# Altium PCB SVPX_FMC_6U_SOM.PcbDoc (part 1 of 9) (continued)
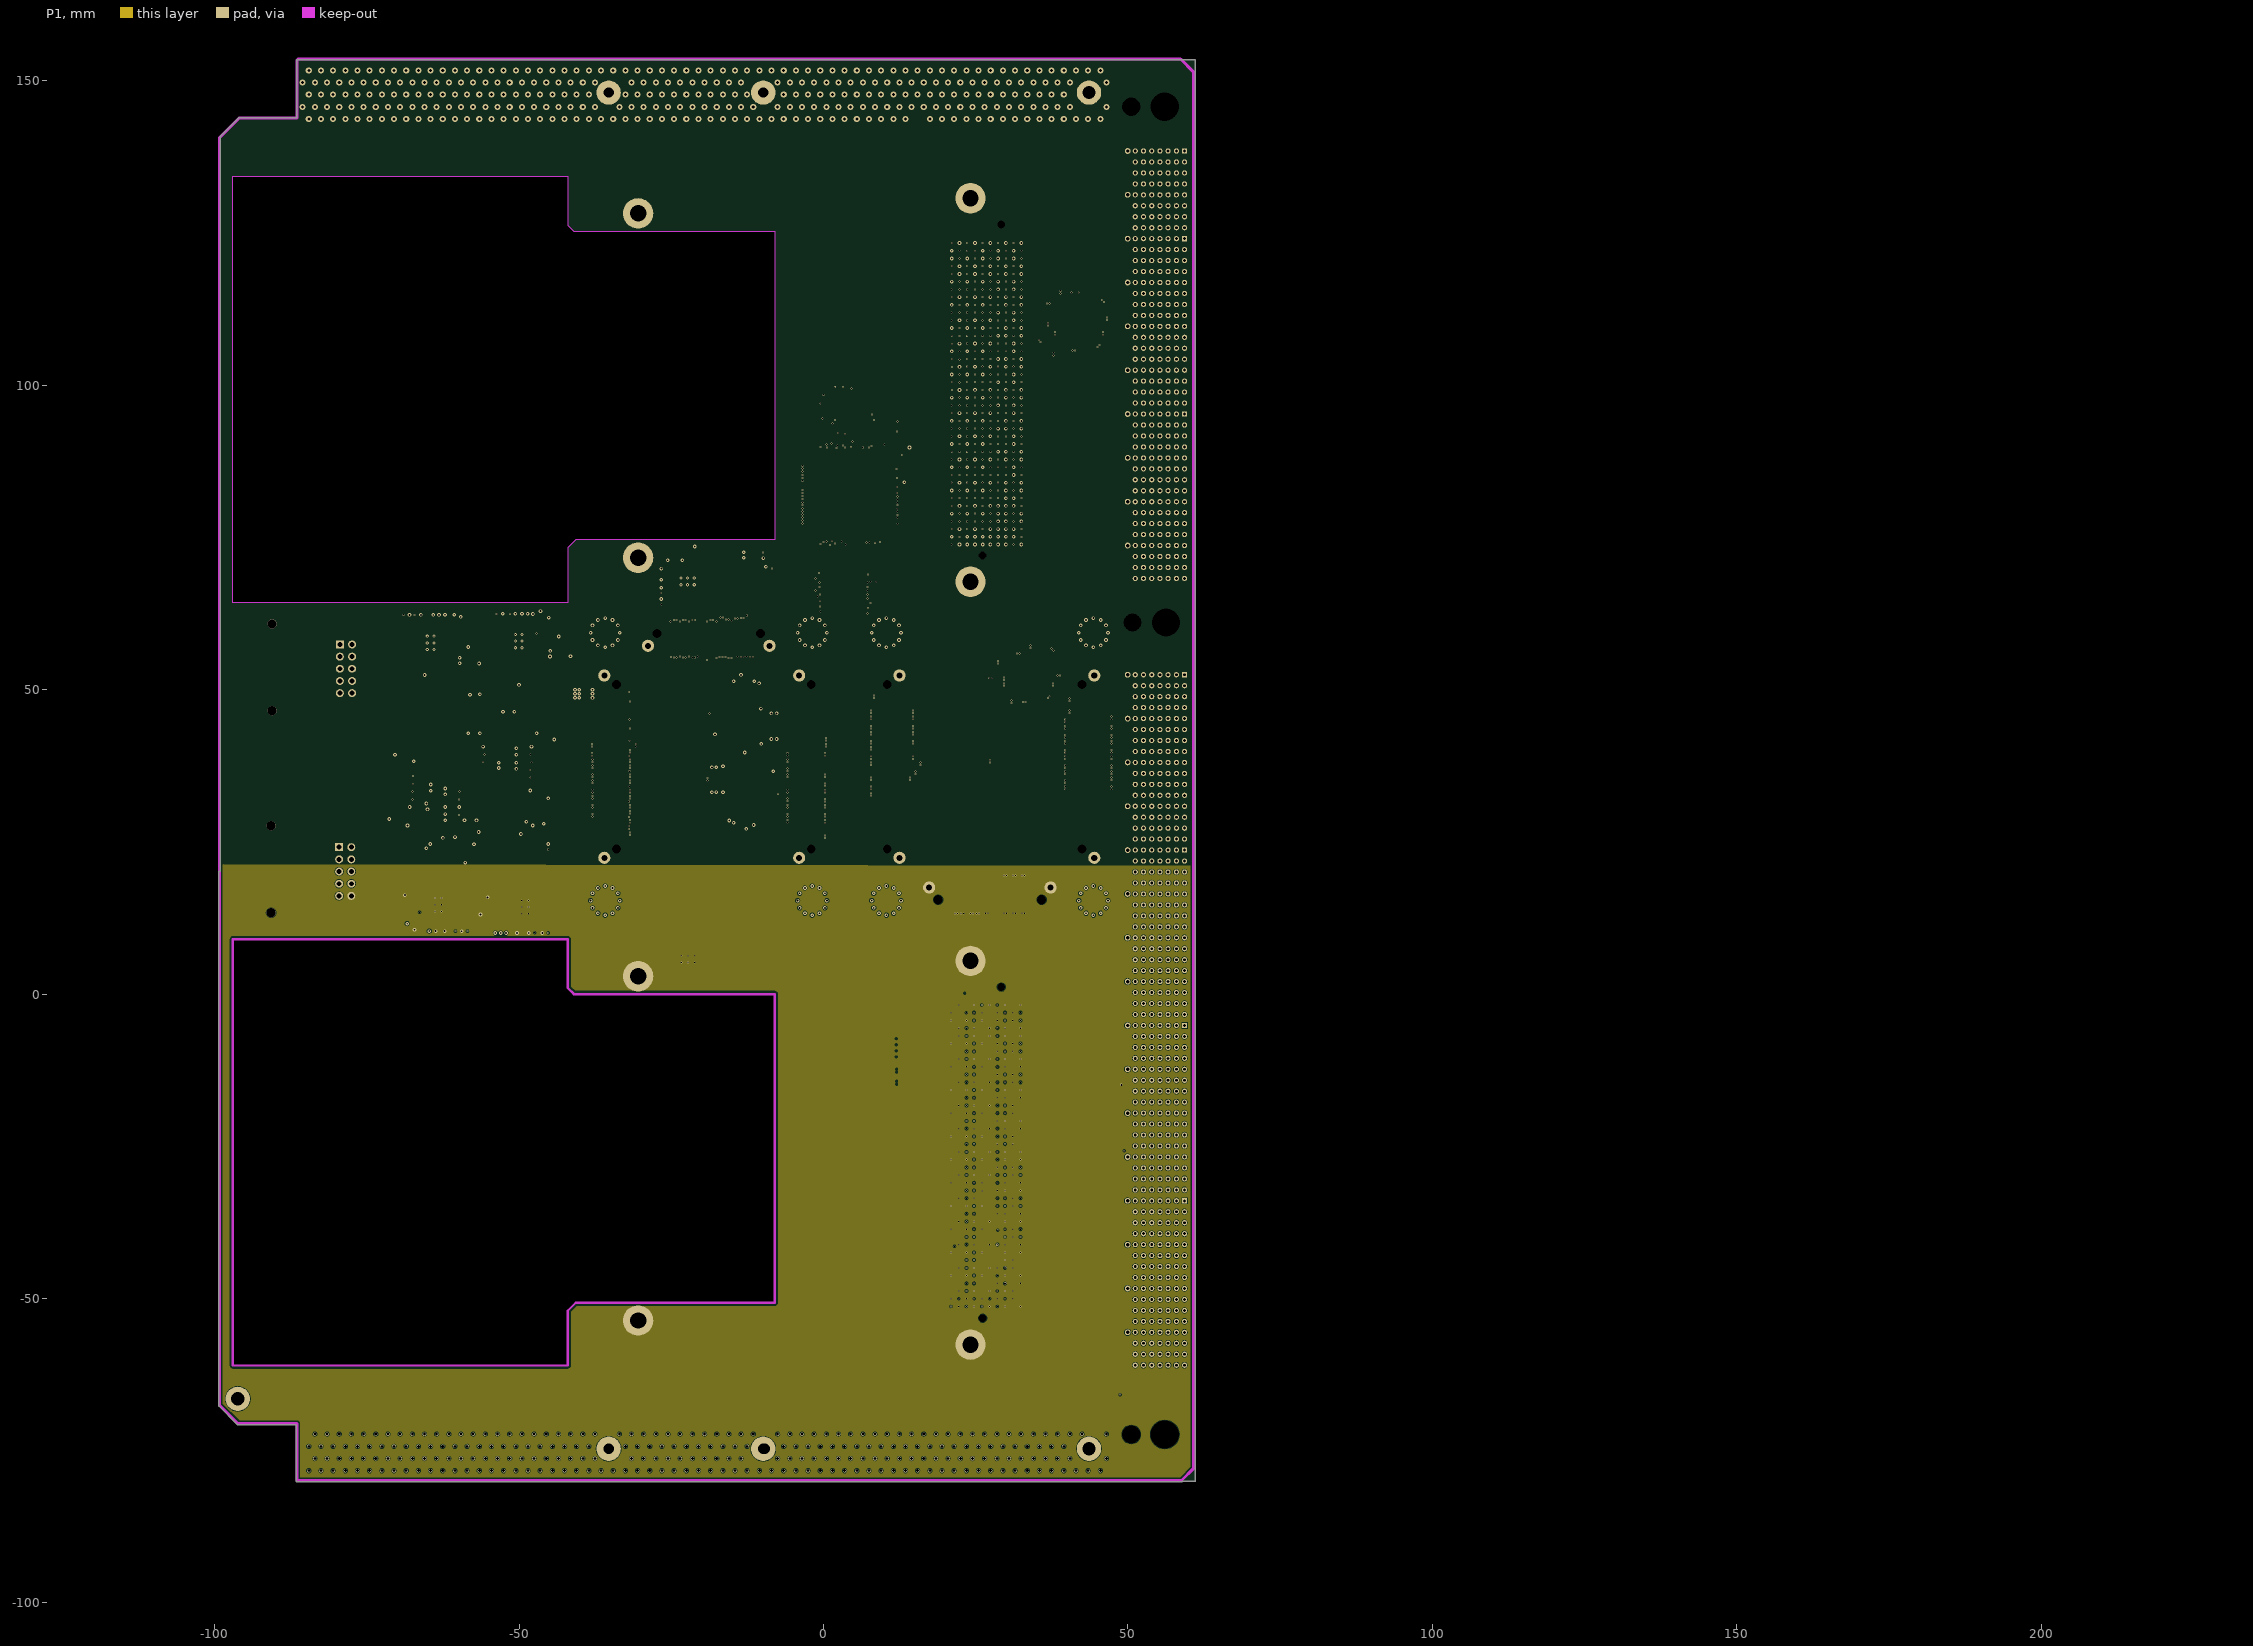
[diagram p3: P1]
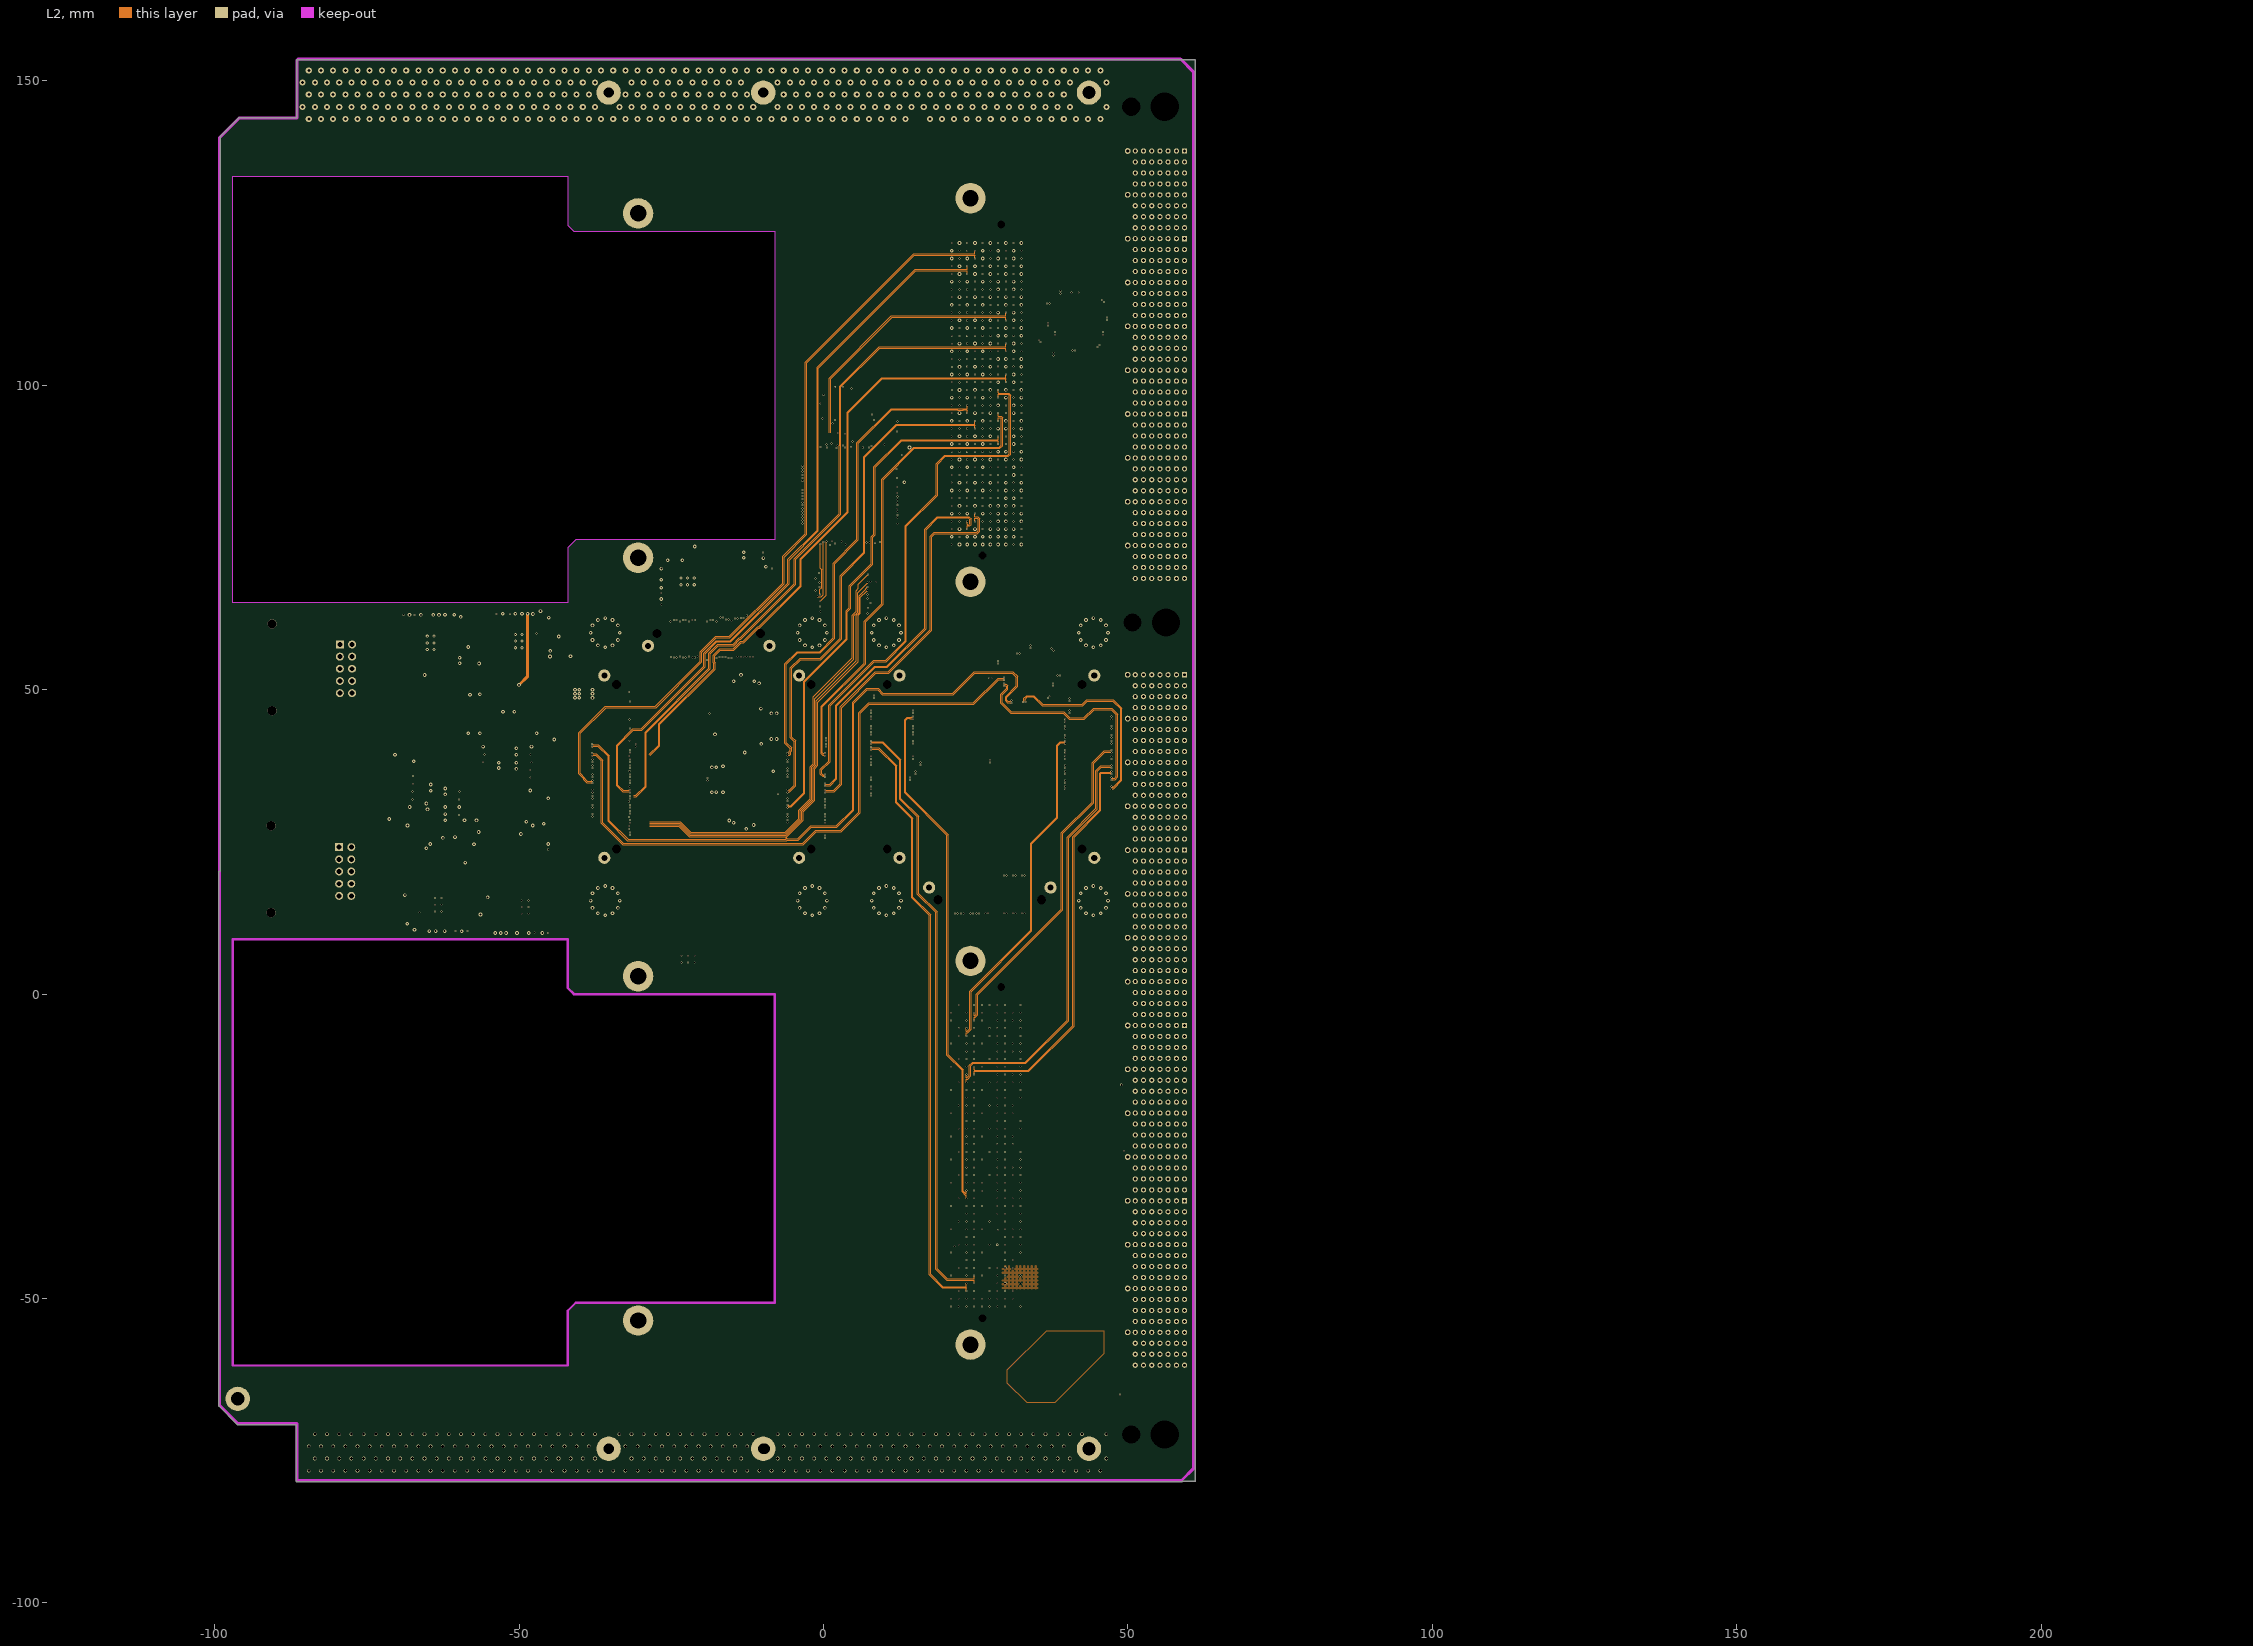
[diagram p4: L2]
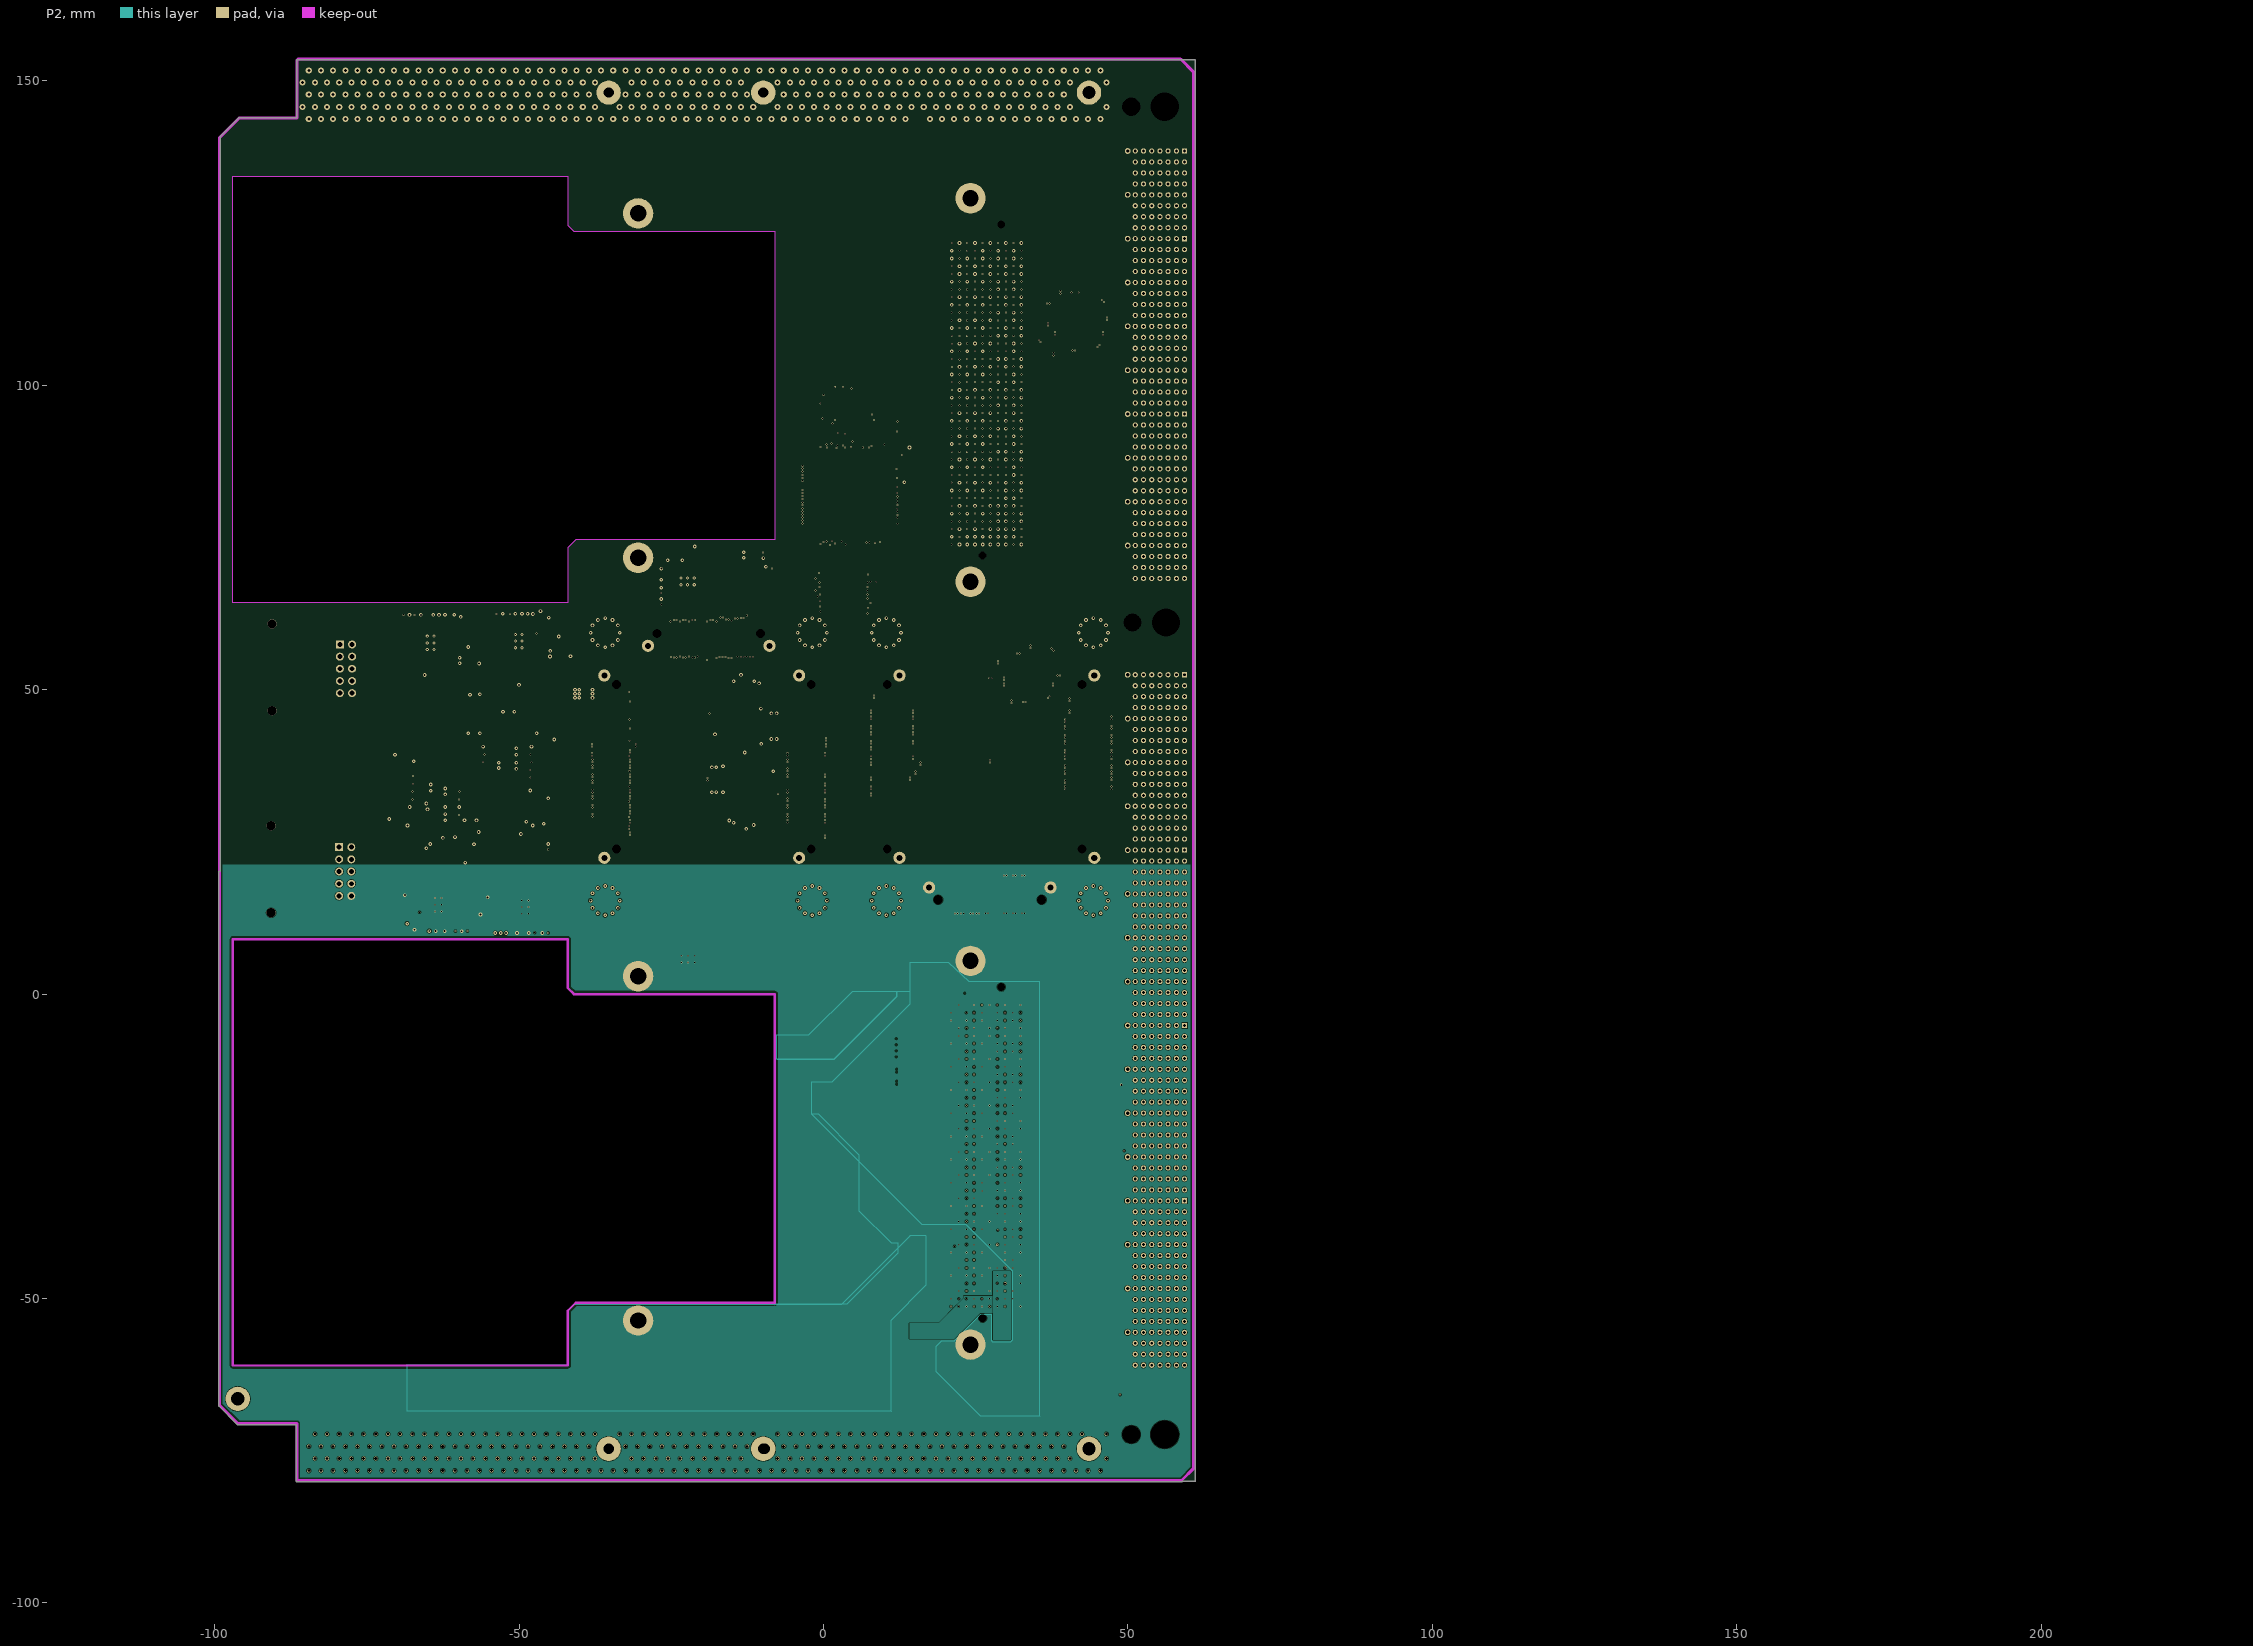
[diagram p5: P2]
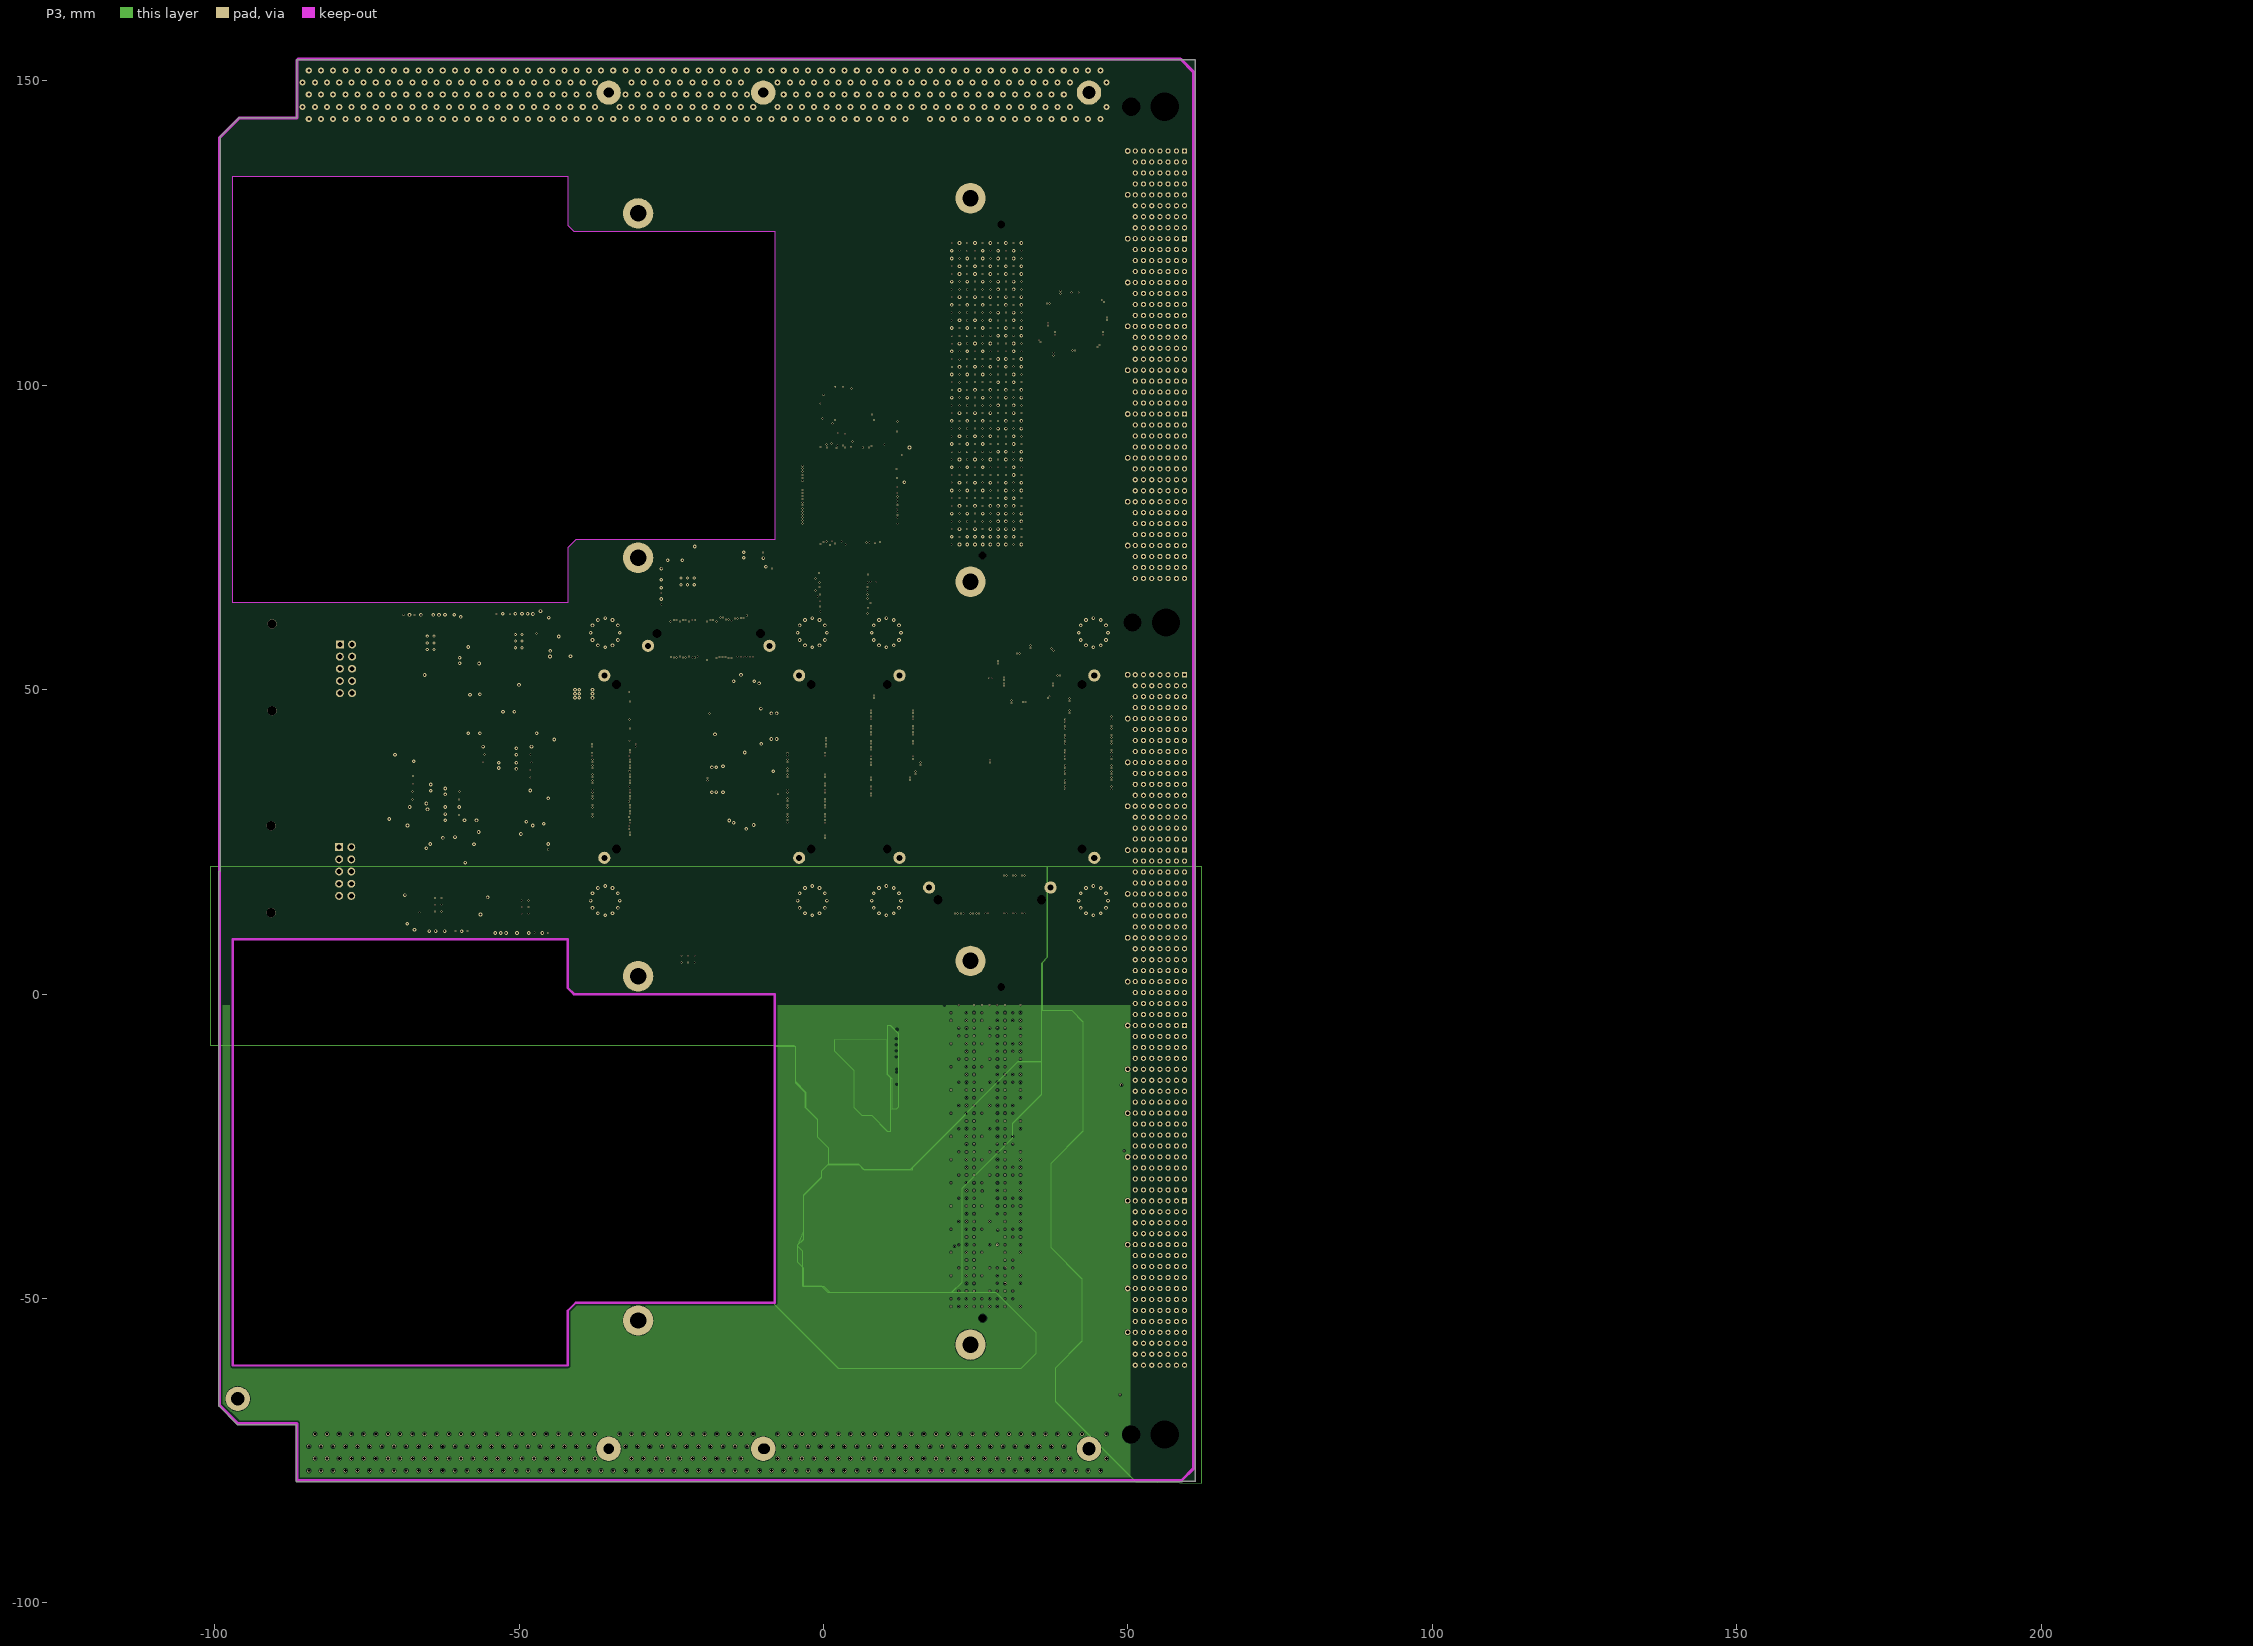
[diagram p6: P3]